# Altium PCB WunderBar_v102b _flip.PcbDoc (part 4 of 7) (continued)
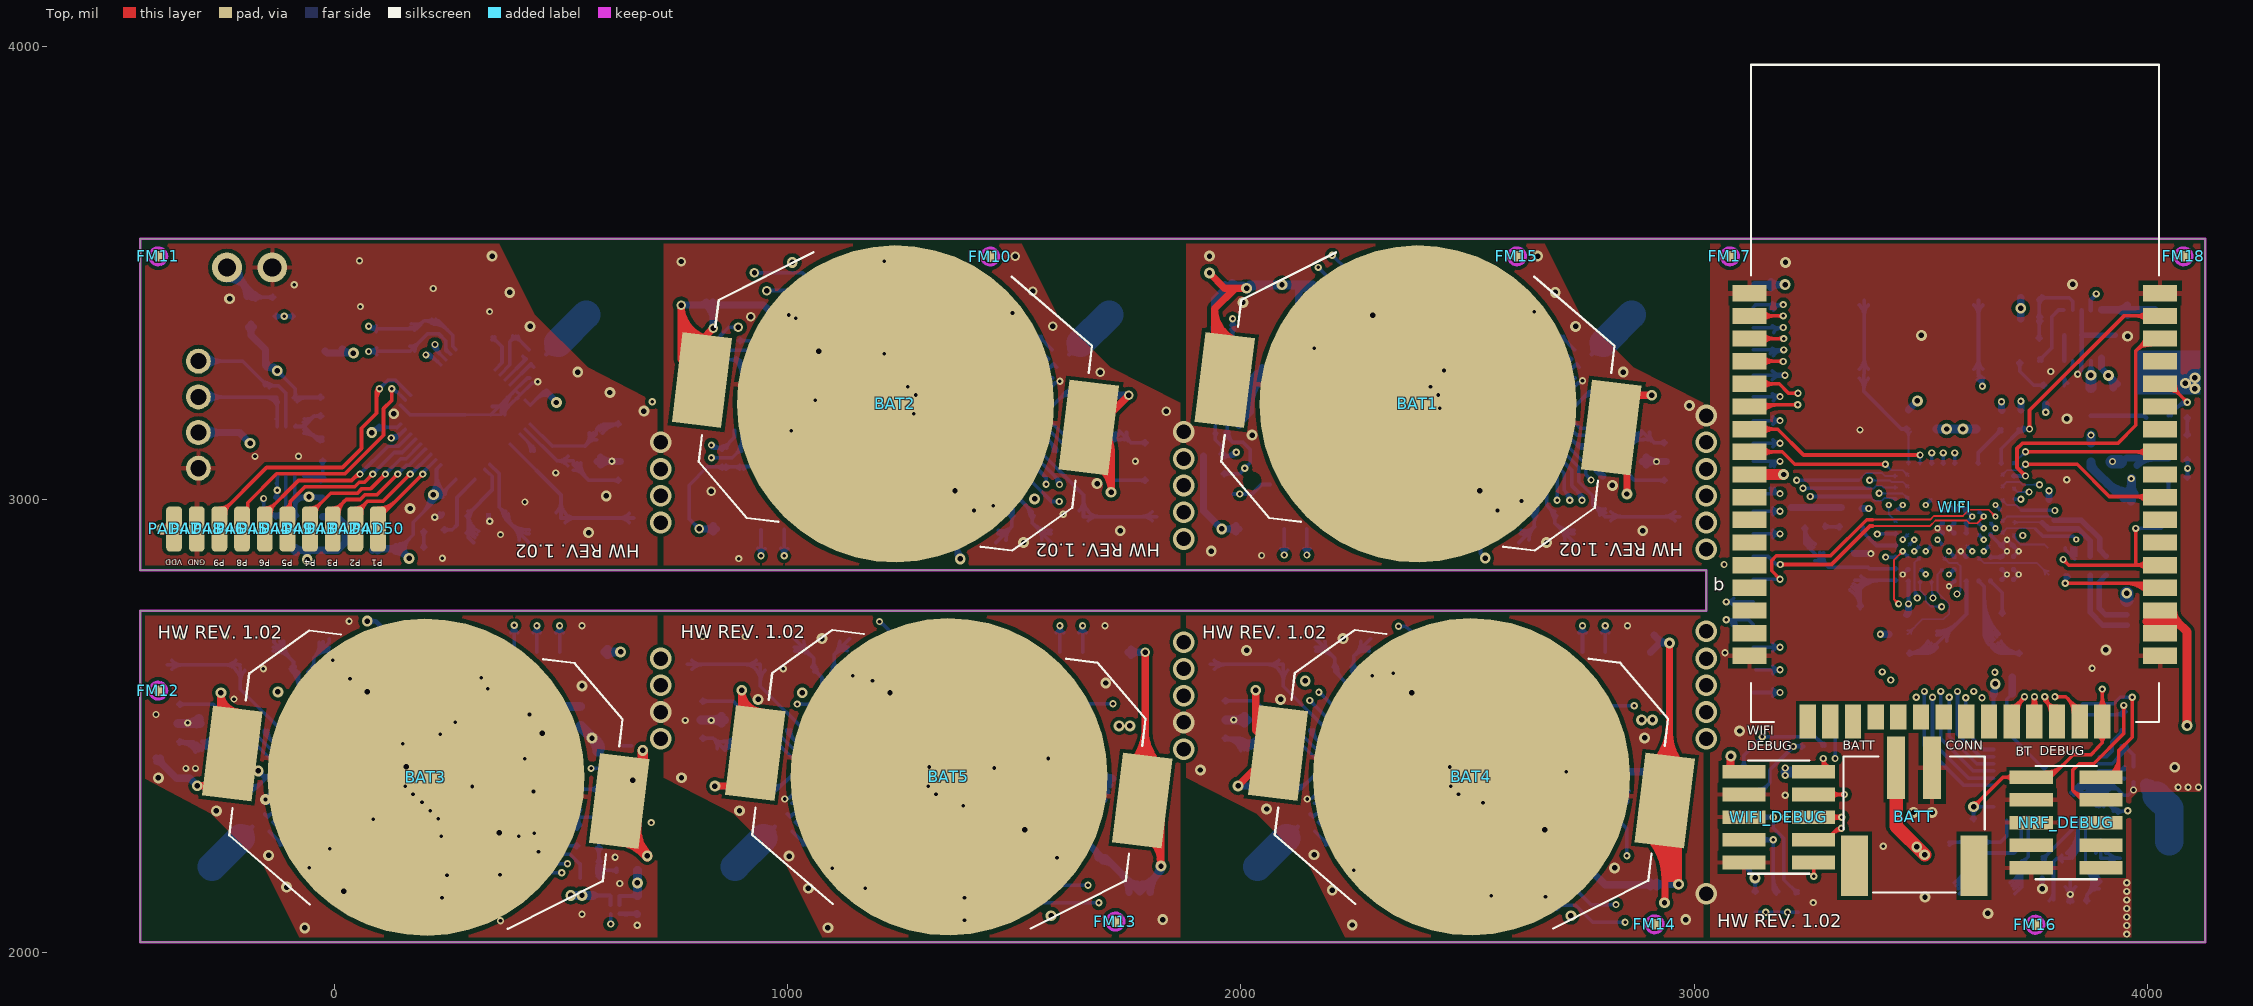
[diagram p0: Top view]
## Nets (pads, with @x,y where several pads share a name; then routed paths per layer and width w, separated by ;. In a path a pad name is that pad's centre, name@x,y a point inside that pad or via, vN(x,y) a via of type N, cw(c..) or ccw(c..) an arc to the next point about the centre after c; other vN are vias at no path point) (continued)
  Bottom w8: v1@126,3241 cw(c126,3219.8) 140.99,3234.79 ; v1(126,3245) 130.78,3245 BT3.14@156.29,3219.49
P0.08F: BT6.14 PAD58.1 | length 681.1
  Route2 w8: v5@156,2372 ccw(c156,2384.07) 164.54,2375.54 ; v5@156.5,2367.5 396.43,2607.43 v1(396.43,2723) ; v1@393.6,2720.17 cw(c386.77,2713.34) 396.43,2713.34 cw(c406.09,2713.34) v1@399.26,2720.17
  Bottom w8: BT6.14@128.75,2379.47 140.22,2368 v5(156,2368) ; BT6.14@135.83,2372.39 ccw(c146.43,2383) 146.43,2368 ; 153.17,2365.17 ccw(c146.34,2358.34) 146.34,2368 ccw(c146.34,2377.66) 153.17,2370.83 ; PAD58.1@388.32,2706.77 ccw(c376.14,2723) v1(396.43,2723) ; v1@392.97,2721 cw(c384.6,2716.17) 393.93,2713.67 cw(c403.26,2711.17) v1@398.43,2719.54 ; v1@393.6,2720.17 cw(c386.77,2713.34) 396.43,2713.34 cw(c406.09,2713.34) v1@399.26,2720.17 ; v1@394.43,2719.54 cw(c389.6,2711.17) 398.93,2713.67 cw(c408.26,2716.17) v1@399.89,2721 ; PAD58.1@396.43,2663.48 v1(396.43,2723) ; PAD58.1@404.54,2706.77 cw(c416.72,2723) v1(396.43,2723)
P0.09: BT1.15 PAD10.1 | length 744
  Route2 w8: v1@2095.52,2882 ccw(c2095.52,2892.71) 2103.09,2885.14 ; v1@2095.53,2877.57 2122,2904.04 2122,2952.81 v5(2418.09,3248.91) ; v1@2099.52,2878 cw(c2108.12,2878) 2102.04,2884.08 ; v5@2414.09,3248.91 cw(c2404.44,3248.91) 2411.27,3242.08 cw(c2418.09,3235.25) v5@2418.09,3244.91
  Bottom w8: PAD10.1@2088.12,2891.69 cw(c2079.16,2878) v1(2095.52,2878) ; v1@2092.27,2880.33 ccw(c2086.6,2884.38) 2093.33,2886.18 ccw(c2100.06,2887.98) v1@2097.17,2881.64 ; v1@2092.69,2880.83 ccw(c2085.86,2887.66) 2095.52,2887.66 ccw(c2105.18,2887.66) v1@2098.35,2880.83 ; v1@2093.86,2881.64 ccw(c2090.98,2887.98) 2097.71,2886.18 ccw(c2104.44,2884.38) v1@2098.77,2880.33 ; PAD10.1@2095.52,2935.48 v1(2095.52,2878) ; PAD10.1@2102.92,2891.69 ccw(c2111.88,2878) v1(2095.52,2878) ; v5(2418.09,3248.91) 2456.15,3248.91 BT1.15@2474.42,3230.63 ; 2420.92,3246.08 cw(c2427.75,3239.25) 2427.75,3248.91 cw(c2427.75,3258.56) 2420.92,3251.73
P0.09B: BT2.15 PAD16.1 | length 757.3
  Route2 w8: v1(941,2876) 968,2903 968,2951.81 v5(1265.09,3248.91) ; v1@941,2880 ccw(c941,2889.66) 947.83,2882.83 ccw(c954.66,2876) v1@945,2876 ; v5@1261.09,3248.91 cw(c1251.44,3248.91) 1258.27,3242.08 cw(c1265.09,3235.25) v5@1265.09,3244.91
  Bottom w8: PAD16.1@933.46,2892.98 cw(c918.04,2875.96) v1(941,2876) cw(c959.32,2875.96) PAD16.1@949.65,2891.51 ; v1@937.54,2878 ccw(c929.2,2882.81) 938.5,2885.3 ; v1@938.17,2878.83 ccw(c931.34,2885.66) 941,2885.66 ccw(c950.66,2885.66) v1@943.83,2878.83 ; 938.48,2885.35 ccw(c947.85,2887.86) v1@943,2879.46 ; v1@939.06,2879.5 ccw(c934.61,2887.51) 943.46,2885.13 ccw(c952.36,2882.75) v1@944.44,2878.04 ; v1(941,2876) PAD16.1@941,2933.96 ; v5(1265.09,3248.91) 1303.15,3248.91 BT2.15@1321.42,3230.63 ; 1267.92,3246.08 cw(c1274.75,3239.25) 1274.75,3248.91 cw(c1274.75,3258.56) 1267.92,3251.73
P0.09C: BT4.15 PAD26.1 | length 752.8
  Route2 w8: v5(2480,2350) 2778,2648 2778,2696.48 v1(2803.52,2722) ; v5@2480,2354 ccw(c2480,2363.66) 2486.83,2356.83 ccw(c2493.66,2350) v5@2484,2350 ; v1@2799.52,2722 cw(c2789.86,2722) 2796.69,2715.17 cw(c2803.52,2708.34) v1@2803.52,2718
  Bottom w8: BT4.15@2424.62,2368.33 2442.95,2350 v5(2480,2350) ; 2477.17,2347.17 ccw(c2470.34,2340.34) 2470.34,2350 ccw(c2470.34,2359.66) 2477.17,2352.83 ; PAD26.1@2795.75,2707.02 ccw(c2785.2,2722) v1(2803.52,2722) ; v1@2800.08,2719.96 cw(c2792.13,2715.23) 2801.06,2712.84 cw(c2810,2710.44) v1@2805.48,2718.51 ; v1@2800.69,2719.17 cw(c2793.86,2712.34) 2803.52,2712.34 cw(c2813.18,2712.34) v1@2806.35,2719.17 ; v1@2801.56,2718.51 cw(c2797.04,2710.44) 2805.97,2712.84 cw(c2814.9,2715.23) v1@2806.96,2719.96 ; PAD26.1@2803.52,2663.48 v1(2803.52,2722) ; PAD26.1@2811.29,2707.02 cw(c2821.84,2722) v1(2803.52,2722)
P0.09D: BT5.15 PAD36.1 | length 756.4
  Route2 w8: v5(1327,2350) 1623,2646 1623,2694.48 v1(1650.52,2722) ; v5@1327,2354 ccw(c1327,2363.66) 1333.83,2356.83 ccw(c1340.66,2350) v5@1331,2350 ; v1@1646.52,2722 cw(c1636.86,2722) 1643.69,2715.17 cw(c1650.52,2708.34) v1@1650.52,2718
  Bottom w8: BT5.15@1271.62,2368.33 1289.95,2350 v5(1327,2350) ; 1324.17,2347.17 ccw(c1317.34,2340.34) 1317.34,2350 ccw(c1317.34,2359.66) 1324.17,2352.83 ; PAD36.1@1642.41,2706.78 ccw(c1630.23,2723) v1@1650.52,2723 ; v1@1647.06,2720 cw(c1639.46,2715.61) PAD36.1@1647.93,2713.34 ; PAD36.1@1647.69,2712.42 cw(c1657.18,2709.88) v1@1652.45,2718.49 ; v1@1647.69,2719.17 cw(c1640.86,2712.34) 1650.52,2712.34 cw(c1660.18,2712.34) v1@1653.35,2719.17 ; v1@1648.59,2718.49 cw(c1643.86,2709.88) PAD36.1@1653.35,2712.42 ; PAD36.1@1650.52,2663.48 v1@1650.52,2723 ; PAD36.1@1653.11,2713.34 cw(c1661.58,2715.61) v1@1653.98,2720 ; PAD36.1@1658.63,2706.78 cw(c1670.81,2723) v1@1650.52,2723
P0.09E: BT3.15 PAD46.1 | length 744.2
  Top w8: PAD46.1@-254.13,2935.48 -254.13,2966.83 -150.06,3070.91 17.28,3070.91 59.52,3113.15 59.52,3157.48 92.52,3190.48 92.52,3238.52 v1(99,3245) ; PAD46.1@-254.13,2981.48 ccw(c-254.13,3016.86) -229.12,2991.84 ; PAD46.1@-240.63,2967.98 cw(c-210.83,2967.98) -231.9,2989.06 ; 92.52,3219.7 cw(c124.3,3219.7) v1@101.83,3242.17 ; 92.52,3239.01 cw(c104.99,3239.01) v1@96.17,3247.83
  Bottom w8: v1(99,3245) 117.04,3263 135.05,3263 BT3.15@167.42,3230.63 ; v1@99,3249 ccw(c99,3258.75) 105.9,3251.86 ; v1@103,3245 cw(c112.56,3245) 105.8,3251.76
P0.09F: BT6.15 PAD59.1 | length 727.4
  Route2 w8: v5@173,2354 ccw(c173,2368.49) 183.24,2358.24 ; v5@175,2350 423,2598 423,2698.55 v1(446.45,2722) ; v1@442.45,2722 cw(c432.79,2722) 439.62,2715.17 cw(c446.45,2708.34) v1@446.45,2718
  Bottom w8: BT6.15@117.62,2368.33 135.95,2350 v5(173,2350) ; 170.17,2347.17 ccw(c163.34,2340.34) 163.34,2350 ccw(c163.34,2359.66) 170.17,2352.83 ; PAD59.1@438.67,2707.02 ccw(c428.12,2722) v1(446.45,2722) ; v1@443.01,2719.96 cw(c435.06,2715.23) 443.99,2712.84 cw(c452.93,2710.44) v1@448.4,2718.51 ; v1@443.62,2719.17 cw(c436.79,2712.34) 446.45,2712.34 cw(c456.1,2712.34) v1@449.28,2719.17 ; v1@444.49,2718.51 cw(c439.97,2710.44) 448.9,2712.84 cw(c457.84,2715.23) v1@449.89,2719.96 ; PAD59.1@446.45,2663.48 v1(446.45,2722) ; PAD59.1@454.22,2707.02 cw(c464.77,2722) v1(446.45,2722)
P0.10F: BT6.16 PAD60.1 | length 796.6
  Route2 w8: v5(193,2332) 452,2591 452,2678.03 v1@496.24,2722.27 ; v5@193,2336 ccw(c193,2345.66) 199.83,2338.83 ccw(c206.66,2332) v5@197,2332 ; 488.79,2714.82 cw(c496.47,2707.14) v1@496.47,2718 ; 489.99,2716.02 ccw(c484.01,2722) v1@492.47,2722
  Bottom w8: BT6.16@106.48,2357.19 131.68,2332 v5(193,2332) ; 190.17,2329.17 ccw(c183.34,2322.34) 183.34,2332 ccw(c183.34,2341.66) 190.17,2334.83 ; PAD60.1@488.69,2707.02 ccw(c478.14,2722) v1(496.47,2722) ; v1@493.03,2719.96 cw(c485.08,2715.23) 494.01,2712.84 cw(c502.95,2710.44) v1@498.42,2718.51 ; v1@493.64,2719.17 cw(c486.81,2712.34) 496.47,2712.34 cw(c506.12,2712.34) v1@499.29,2719.17 ; v1@494.51,2718.51 cw(c489.99,2710.44) 498.92,2712.84 cw(c507.85,2715.23) v1@499.9,2719.96 ; PAD60.1@496.47,2663.48 v1(496.47,2722) ; PAD60.1@504.24,2707.02 cw(c514.79,2722) v1(496.47,2722)
PAD1: BT2.7 PAD11.1 | length 268.5
  Bottom w8: PAD11.1@1233.41,2977.94 ccw(c1214.51,2998.61) 1242.52,2998.61 ; PAD11.1@1242.52,2935.48 1242.52,2998.62 ; PAD11.1@1251.63,2977.94 cw(c1270.53,2998.61) 1242.52,2998.61 ; BT2.7@1354.83,3110.92 1242.52,2998.62
PAD2: BT4.7 PAD21.1 | length 268.5
  Bottom w8: BT4.7@2391.21,2488.04 2503.52,2600.34 ; PAD21.1@2494.41,2621.02 cw(c2475.51,2600.35) 2503.52,2600.35 ; PAD21.1@2503.52,2663.48 2503.52,2600.34 ; PAD21.1@2512.63,2621.02 ccw(c2531.53,2600.35) 2503.52,2600.35
PAD3: BT5.7 PAD31.1 | length 268.5
  Bottom w8: BT5.7@1238.21,2488.04 1350.52,2600.34 ; PAD31.1@1341.41,2621.02 cw(c1322.51,2600.35) 1350.52,2600.35 ; PAD31.1@1350.52,2663.48 1350.52,2600.34 ; PAD31.1@1359.63,2621.02 ccw(c1378.53,2600.35) 1350.52,2600.35
PAD4: BT3.7 PAD42.1 | length 395.7
  Top w8: PAD42.1@-4.13,2935.48 -4.13,2970.83 25.52,3000.48 56.85,3000.48 66.85,3010.48 93.16,3010.48 v1(139.15,3056.47) ; PAD42.1@-4.13,2981.48 ccw(c-4.13,3007.2) 14.05,2989.01 ; PAD42.1@1.37,2967.98 cw(c21.52,2967.98) PAD42.1@7.27,2982.23 ; PAD42.1@9.37,2967.98 cw(c48.83,2967.98) 20.92,2995.89 ; v1@135.15,3056.47 cw(c125.5,3056.47) 132.32,3049.64 cw(c139.15,3042.81) v1@139.15,3052.47
  Bottom w8: v1(139.15,3056.47) 158.68,3076 164.34,3076 199.26,3110.92 BT3.7@200.83,3110.92 ; v1@139.15,3060.47 ccw(c139.15,3070.13) 145.98,3063.3 ccw(c152.81,3056.47) v1@143.15,3056.47
PAD5: BT6.7 PAD54.1 | length 324.9
  Bottom w8: BT6.7@84.21,2488.04 195.36,2599.18 PAD54.1@195.36,2664.48 ; 195.36,2599.38 ccw(c162.77,2599.38) 185.81,2622.43 cw(c162.77,2599.38) 195.36,2599.38 ; 195.36,2599.38 cw(c227.95,2599.38) 204.9,2622.43 ccw(c227.95,2599.38) 195.36,2599.38
PAD6: BT1.7 PAD4.1 | length 250.9
  Bottom w8: PAD4.1@2386.81,2978.3 ccw(c2368.51,2999.97) 2396.88,2999.97 ; PAD4.1@2396.88,2952.62 2396.88,2999.97 ; 2396.88,2997.29 ccw(c2424.83,2997.29) PAD4.1@2405.07,2977.53 ; BT1.7@2507.83,3110.92 2396.88,2999.97
PROX_LED: LED6.C SENSE3.4 | length 494.4
  Bottom w16: SENSE3.4@1995.11,3177.48 ccw(c1994.63,3202.15) 2012.41,3185.05 ; SENSE3.4@1995.52,3163.48 1995.52,3167.48 2020.52,3193.48 2020.52,3260.48 LED6.C@2044.52,3283.48 ; 2020.52,3204.28 cw(c2109.11,3204.28) LED6.C@2046.47,3266.92 ; 2020.52,3242.9 cw(c2070.48,3242.9) LED6.C@2035.15,3278.23 ; LED6.C@2046.47,3275.23 cw(c2066.4,3255.3) LED6.C@2066.4,3283.48 ; LED6.C@2046.47,3291.75 ccw(c2066.43,3311.72) LED6.C@2066.43,3283.48 ; LED6.C@2062.07,3283.48 cw(c2062.07,3265.35) LED6.C@2080.12,3267.02 ; LED6.C@2064.19,3265.55 ccw(c2044.52,3263.73) LED6.C@2044.52,3283.48 ; LED6.C@2064.86,3297.33 cw(c2044.52,3305.34) LED6.C@2044.52,3283.48 ; LED6.C@2079.62,3283.48 cw(c2079.62,3266.97) LED6.C@2096.05,3268.49 ; LED6.C@2097.17,3283.48 cw(c2097.17,3268.6) LED6.C@2111.99,3269.97 ; LED6.C@2097.52,3283.48 LED6.C@2044.52,3283.48
REGOUT: C40.1 SENSE2.10 | length 62.8
  Bottom w8: C40.1@926.28,3304.57 cw(c916.03,3294.33) 930.52,3294.33 cw(c945.01,3294.33) C40.1@934.76,3304.57 ; SENSE2.10@930.52,3268.48 C40.1@930.52,3308.48
S3_RX_EXT: IC2.5 P1.3 R47.1 | length 447.4
  Bottom w8: P1.3@-300.58,3226.27 R47.1@-127.48,3226.27 ; P1.3@-289.58,3215.85 cw(c-264.42,3190.69) -264.42,3226.27 ; P1.3@-289.58,3237.85 ccw(c-261.61,3265.82) -261.61,3226.27 ; P1.3@-283.92,3210.19 cw(c-245.11,3171.38) -245.11,3226.27 ; P1.3@-283.92,3243.51 ccw(c-242.3,3285.13) -242.3,3226.27 ; -156.61,3226.27 cw(c-156.61,3192.02) -132.39,3216.24 cw(c-146.66,3201.97) -126.48,3201.97 ; R47.1@-137.29,3226.27 cw(c-137.29,3211.34) R47.1@-126.74,3221.89 ; IC2.5@-128.42,3177.89 ccw(c-133.11,3182.58) -126.48,3182.58 ; R47.1@-127.48,3220.48 -126.48,3219.48 IC2.5@-126.48,3161.48 ; -126.48,3210.03 cw(c-117.69,3210.03) R47.1@-123.91,3216.24
S3_RX_INT: BT3.21 IC2.4 R44.1 | length 802.2
  Route15 w8: v1(-126.48,3020.98) -49.94,3097.52 141.61,3097.52 201.52,3157.43 v1(201.52,3319.48) ; v1@-126.48,3024.98 ccw(c-126.48,3034.64) -119.65,3027.81 ccw(c-112.82,3020.98) v1@-122.48,3020.98 ; v1@198.69,3316.65 cw(c191.86,3309.82) 201.52,3309.82 cw(c211.18,3309.82) v1@204.35,3316.65
  Bottom w8: R44.1@-132.39,3004.72 ccw(c-146.66,3019) v1@-126.48,3019 ; v1@-129.94,3018.98 cw(c-139.83,3013.28) R44.1@-128.8,3010.32 ; v1@-129.31,3018.16 cw(c-136.14,3011.33) -126.48,3011.33 cw(c-116.82,3011.33) v1@-123.65,3018.16 ; v1@-129.31,3023.81 ccw(c-136.14,3030.64) -126.48,3030.64 ccw(c-116.82,3030.64) v1@-123.65,3023.81 ; IC2.4@-128.42,3035.95 cw(c-133.11,3031.26) -126.48,3031.26 ; -128.16,3012.72 cw(c-120.53,3010.68) v1@-124.48,3017.52 ; R44.1@-127.48,3000.48 -126.48,3001.48 -126.48,3051.48 IC2.4@-125.48,3050.48 ; -126.48,3010.94 ccw(c-117.69,3010.94) R44.1@-123.91,3004.72 ; v1@201.52,3315.48 cw(c201.52,3279.27) BT3.21@227.13,3304.87 ; v1(201.52,3319.48) 212.52,3319.48 BT3.21@234.52,3297.48 ; v1@201.52,3323.48 cw(c201.52,3306.58) 213.47,3318.53 ; v1@204.35,3316.65 cw(c211.18,3309.82) 211.18,3319.48 cw(c211.18,3329.14) v1@204.35,3322.31
S3_TX_EXT: IC2.6 P1.4 R46.1 | length 489.7
  Bottom w8: P1.4@-300.58,3305.59 -202.59,3305.59 -148.48,3251.48 -123.48,3251.48 -107.48,3234.48 IC2.6@-107.48,3161.48 ; P1.4@-289.58,3294.59 cw(c-263.02,3268.03) -263.02,3305.59 cw(c-263.02,3343.15) P1.4@-289.58,3316.59 ; P1.4@-283.92,3288.93 cw(c-243.7,3248.71) -243.7,3305.59 cw(c-243.7,3362.47) P1.4@-283.92,3322.25 ; -159.29,3262.29 ccw(c-148.48,3273.09) R46.1@-148.48,3257.81 ; -158.49,3261.49 cw(c-168.17,3251.81) R46.1@-154.48,3251.81 ; R46.1@-144.24,3247.57 cw(c-134.79,3238.12) -134.79,3251.48 ; R46.1@-144.24,3256.05 ccw(c-133.2,3267.09) -133.2,3251.48
S3_TX_INT: BT3.22 IC2.3 R45.1 | length 974.4
  Route15 w8: v1(-156.57,3002.55) -112.41,3002.55 -36.73,3078.23 152.24,3078.23 221.52,3147.5 v1(221.52,3342.48) ; v1@-153.75,2999.72 cw(c-146.92,2992.89) -146.92,3002.55 cw(c-146.92,3012.21) v1@-153.75,3005.38 ; v1@218.69,3339.65 cw(c211.86,3332.82) 221.52,3332.82 cw(c231.18,3332.82) v1@224.35,3339.65
  Bottom w8: v1@-159.4,2999.72 cw(c-166.23,2992.89) -156.57,2992.89 cw(c-146.92,2992.89) v1@-153.75,2999.72 ; v1(-156.57,3002.55) -156.57,2985.57 -129.98,2958.98 -107.48,2981.48 IC2.3@-107.48,3051.48 ; -145.79,2974.79 ccw(c-128.15,2992.42) -128.15,2967.48 ccw(c-128.15,2983.58) -116.76,2972.2 ; R45.1@-122.15,2961.48 cw(c-109.28,2961.48) R45.1@-118.38,2970.58 ; v1@217.52,3342.48 ccw(c232.01,3342.48) 221.76,3332.24 ; v1@218.69,3339.65 cw(c211.86,3332.82) 221.52,3332.82 cw(c231.18,3332.82) v1@224.35,3339.65 ; v1(221.52,3342.48) 221.52,3332.48 BT3.22@245.52,3308.48 ; v1@225.52,3342.48 ccw(c259.32,3342.48) 235.42,3318.58
S3_VEXT_REF: C88.1 IC2.7 IC2.8 R48.1 | length 310.2
  Bottom w8: IC2.7@-87.48,3161.48 IC2.8@-67.48,3161.48 ; IC2.7@-86.07,3163.89 ccw(c-80.24,3169.72) -80.24,3161.48 ; -74.72,3161.48 ccw(c-74.72,3169.72) IC2.8@-68.89,3163.89 ; IC2.8@-70.79,3162.88 ccw(c-69.2,3169.41) IC2.8@-64.34,3164.76 ; IC2.8@-68.9,3170.65 ccw(c-65.41,3184.98) -54.75,3174.79 ; IC2.8@-67.48,3146.48 cw(c-67.48,3110.27) -41.87,3135.87 ; IC2.8@-67.48,3154.48 cw(c-67.48,3137.58) -55.53,3149.53 ; IC2.8@-67.01,3178.42 ccw(c-61.62,3200.56) -45.16,3184.81 ; -54.94,3148.94 ccw(c-26.48,3177.39) C88.1@-26.48,3137.15 ; -41.76,3184.48 ccw(c-41.76,3200.09) R48.1@-30.72,3189.05 ; -41.28,3135.28 ccw(c-26.48,3150.08) C88.1@-26.48,3129.15 ; -40.17,3184.48 cw(c-40.17,3171.12) R48.1@-30.72,3180.57 ; C88.1@-31.67,3128.14 ccw(c-37.48,3124.76) -37.48,3131.48 ; C88.1@-31.37,3134.63 cw(c-37.48,3138.99) -37.48,3131.48 ; C88.1@-26.48,3131.48 -37.48,3131.48 ; R48.1@-26.48,3184.48 -45.48,3184.48 IC2.8@-67.48,3161.48 ; IC2.8@-67.48,3161.48 -37.48,3131.48
SENS1_LED: BT1.48 R5.1 | length 167.4
  Bottom w8: R5.1@2549.19,2943.48 2577.48,2943.48 2586.94,2952.94 2586.94,3013.44 BT1.48@2617.01,3043.5 ; R5.1@2553.43,2939.24 cw(c2563.67,2928.99) 2563.67,2943.48 cw(c2563.67,2957.97) R5.1@2553.43,2947.72
SENS1_LED1: LED3.A R5.2 | length 83.5
  Bottom w8: R5.2@2503.28,2939.24 cw(c2493.03,2928.99) 2507.52,2928.99 cw(c2522.01,2928.99) R5.2@2511.76,2939.24 ; LED3.A@2503.61,2909.72 ccw(c2494.16,2919.17) 2507.52,2919.17 ; LED3.A@2507.52,2905.48 R5.2@2507.52,2943.48 ; 2507.52,2920.76 ccw(c2523.13,2920.76) LED3.A@2512.09,2909.72
SENS1_XL1: BT1.46 C94.2 X1.1 | length 333.1
  Bottom w8: X1.1@2613.5,2905.48 2647.52,2940.48 2647.52,2968.48 2654.52,2975.48 2654.52,3051.48 2648.52,3057.48 2647.52,3057.48 BT1.46@2638.52,3066.48 ; X1.1@2616.87,2924.57 ccw(c2622.16,2945.86) X1.1@2637.9,2930.57 ; X1.1@2618.8,2932.33 ccw(c2626.04,2961.5) 2647.6,2940.56 ; X1.1@2635.49,2911.3 cw(c2675.46,2911.88) 2646.79,2939.73 ; C94.2@2644.28,2964.24 cw(c2636.45,2956.41) 2647.52,2956.41 ; C94.2@2644.28,2972.72 ccw(c2619.55,2997.45) 2654.52,2997.45 ; 2647.52,2951.58 cw(c2665.42,2951.58) C94.2@2652.76,2964.24 ; C94.2@2649.93,2967.07 ccw(c2638.86,2978.14) C94.2@2654.52,2978.14
SENS1_XL2: BT1.45 C93.2 X1.2 | length 362.7
  Bottom w8: BT1.45@2649.52,3077.48 2674.52,3053.48 2674.52,2987.48 C93.2@2692.52,2968.48 2692.52,2948.48 ; C93.2@2686.52,2968.64 ccw(c2672.04,2969.03) 2682.56,2979 ccw(c2693.07,2988.96) C93.2@2692.68,2974.48 ; C93.2@2688.28,2964.24 cw(c2678.03,2953.99) 2692.52,2953.99 cw(c2707.01,2953.99) C93.2@2696.76,2964.24 ; 2703.56,2937.44 cw(c2677.1,2910.98) X1.2@2714.52,2910.98 ; 2704.78,2936.22 ccw(c2732.32,2963.76) X1.2@2735.41,2924.94 ; X1.2@2734.77,2932.91 cw(c2730.51,2986.47) 2692.52,2948.48 ; X1.2@2735.52,2905.48 2692.52,2948.48
SENS2_LED: BT2.48 R18.1 | length 167.3
  Bottom w8: R18.1@1392.19,2943.48 1417.48,2943.48 1430,2956 1430,3009.5 BT2.48@1464.01,3043.5 ; R18.1@1396.43,2939.24 cw(c1406.67,2928.99) 1406.67,2943.48 cw(c1406.67,2957.97) R18.1@1396.43,2947.72
SENS2_LED1: LED7.A R18.2 | length 83.5
  Bottom w8: R18.2@1346.28,2939.24 cw(c1336.03,2928.99) 1350.52,2928.99 cw(c1365.01,2928.99) R18.2@1354.76,2939.24 ; LED7.A@1346.61,2909.72 ccw(c1337.16,2919.17) 1350.52,2919.17 ; LED7.A@1350.52,2905.48 R18.2@1350.52,2943.48 ; 1350.52,2920.76 ccw(c1366.13,2920.76) LED7.A@1355.09,2909.72
SENS2_XL1: BT2.46 C96.2 X2.1 | length 329.7
  Bottom w8: X2.1@1459.5,2905.48 1494.52,2940.48 ; X2.1@1462.93,2924.55 ccw(c1468.49,2946.58) X2.1@1484.56,2930.52 ; X2.1@1464.88,2932.31 ccw(c1472.51,2962.49) 1494.52,2940.48 ; X2.1@1481.5,2910.98 cw(c1521.27,2910.98) 1493.15,2939.11 ; BT2.46@1485.52,3066.48 1497.52,3054.48 1497.52,2971.48 C96.2@1494.52,2968.48 1494.52,2940.48 ; C96.2@1490.28,2964.24 cw(c1480.03,2953.99) 1494.52,2953.99 cw(c1509.01,2953.99) C96.2@1498.76,2964.24 ; C96.2@1490.28,2972.72 ccw(c1472.79,2990.21) 1497.52,2990.21 ; 1497.52,3048.63 ccw(c1483.28,3048.63) 1493.35,3058.7 cw(c1491.21,3052.77) 1497.52,3052.77
SENS2_XL2: BT2.45 C95.2 X2.2 | length 358.9
  Bottom w8: BT2.45@1496.52,3077.48 1512.52,3061.48 1512.52,3000.48 1539.52,2973.48 C95.2@1539.52,2968.48 1539.52,2948.48 X2.2@1581.52,2905.48 ; 1525.74,2987.26 cw(c1506.96,2968.48) C95.2@1533.52,2968.48 ; C95.2@1535.28,2964.24 cw(c1525.03,2953.99) 1539.52,2953.99 cw(c1554.01,2953.99) C95.2@1543.76,2964.24 ; 1539.45,2948.55 ccw(c1576.93,2985.17) X2.2@1580.87,2932.92 ; 1549.84,2937.92 cw(c1522.97,2911.68) X2.2@1560.52,2911.24 ; 1551.44,2936.28 ccw(c1578.61,2962.82) X2.2@1581.47,2924.94
SENS3_BTN: BT3.41 BTN3.P3 BTN3.P4 | length 529.7
  Bottom w8: BT3.41@387.52,3122.48 499.52,3010.48 499.52,2959.48 BTN3.P3@660.52,2959.48 ; BTN3.P4@488.91,2971.38 ccw(c463.3,2996.99) 499.52,2996.99 ; 499.52,2993.57 ccw(c530.9,2993.57) BTN3.P4@508.71,2971.38 ; BTN3.P4@508.71,2949.58 cw(c532.61,2925.68) 532.61,2959.48 cw(c532.61,2993.28) BTN3.P4@508.71,2969.38 ; BTN3.P3@650.62,2949.58 ccw(c626.72,2925.68) 626.72,2959.48 ccw(c626.72,2993.28) BTN3.P3@650.62,2969.38
SENS3_LED: BT3.48 R28.1 | length 175.8
  Bottom w8: R28.1@238.19,2933.48 259.48,2933.48 270,2944 270,3004.96 BT3.48@309.52,3044.48 ; R28.1@242.43,2929.24 cw(c252.67,2918.99) 252.67,2933.48 cw(c252.67,2947.97) R28.1@242.43,2937.72
SENS3_LED1: LED11.A R28.2 | length 88.5
  Bottom w8: R28.2@192.28,2929.24 cw(c182.03,2918.99) 196.52,2918.99 cw(c211.01,2918.99) R28.2@200.76,2929.24 ; LED11.A@192.61,2894.72 ccw(c183.16,2904.17) 196.52,2904.17 ; LED11.A@196.52,2890.48 R28.2@196.52,2933.48 ; 196.52,2905.76 ccw(c212.13,2905.76) LED11.A@201.09,2894.72
SENS3_XL1: BT3.46 C91.2 X3.1 | length 365.4
  Bottom w8: C91.2@290.28,2964.24 cw(c277.62,2951.58) 295.52,2951.58 ; X3.1@290.94,2926.54 ccw(c279.88,2937.59) 295.52,2937.59 ; C91.2@294.46,2974.48 ccw(c294.3,2991.4) 306.38,2979.55 ; 295.52,2940.58 ccw(c323.81,2940.58) X3.1@309.53,2916.16 ; 295.52,2954.53 ccw(c331.97,2954.53) X3.1@313.57,2923.06 ; 295.52,2956.41 cw(c306.59,2956.41) C91.2@298.76,2964.24 ; C91.2@300.52,2968.54 cw(c312.57,2968.65) C91.2@303.97,2977.09 ; X3.1@306.5,2905.48 295.52,2916.48 C91.2@295.52,2968.48 ; X3.1@317.61,2929.97 cw(c340.13,2968.48) C91.2@295.52,2968.48 ; BT3.46@331.52,3066.48 347.52,3051.48 347.52,3021.48 C91.2@295.52,2968.48
SENS3_XL2: BT3.45 C90.2 X3.2 | length 422.5
  Bottom w8: BT3.45@342.52,3077.48 363.52,3057.48 363.52,2983.48 C90.2@377.52,2968.48 377.52,2956.48 ; C90.2@371.52,2968.69 ccw(c357.05,2969.19) 367.64,2979.07 ccw(c378.23,2988.95) C90.2@377.73,2974.48 ; C90.2@373.92,2963.68 cw(c368.52,2956.48) 377.52,2956.48 ; C90.2@375.52,2968.48 ccw(c399.66,2968.48) 382.59,2951.41 ; 380.87,2953.13 ccw(c429.52,3001.79) X3.2@429.52,2932.98 ; C90.2@381.12,2963.68 ccw(c386.52,2956.48) 377.52,2956.48 ; C90.2@383.52,2968.48 ccw(c426.98,2968.48) 396.25,2937.75 ; 394.52,2939.48 ccw(c429.52,2974.47) X3.2@429.52,2924.98 ; 396.56,2937.44 cw(c370.1,2910.98) X3.2@407.52,2910.98 ; X3.2@428.52,2905.48 377.52,2956.48
SENS4_BTN: BT4.41 BTN4.P3 BTN4.P4 | length 526.7
  Bottom w8: BTN4.P3@1932.52,2636.48 2093.52,2636.48 2093.52,2588.48 BT4.41@2205.52,2476.48 ; BTN4.P3@1941.42,2625.58 cw(c1967.73,2599.27) 1967.73,2636.48 ; BTN4.P3@1941.42,2645.38 ccw(c1962.9,2666.87) 1962.9,2636.48 ; 2057.02,2636.48 cw(c2057.02,2599.27) BTN4.P4@2083.33,2625.58 ; 2061.84,2636.48 ccw(c2061.84,2666.87) BTN4.P4@2083.33,2645.38 ; BTN4.P4@2083.33,2623.58 cw(c2058.73,2598.98) 2093.52,2598.98 ; 2093.52,2600.38 cw(c2126.32,2600.38) BTN4.P4@2103.13,2623.58
SENS4_LED: BT4.48 R22.1 | length 162.3
  Bottom w8: BT4.48@2282.03,2555.46 2310,2583.42 2310,2628 2335.49,2653.49 R22.1@2354.84,2653.49 ; R22.1@2350.6,2649.25 ccw(c2340.36,2639) 2340.36,2653.49 ccw(c2340.36,2667.97) R22.1@2350.6,2657.73
SENS4_LED1: LED8.A R22.2 | length 92.5
  Bottom w8: LED8.A@2391.95,2689.24 cw(c2383.32,2680.61) 2395.52,2680.61 ; R22.2@2392.27,2657.73 ccw(c2384.42,2665.58) 2395.52,2665.58 ; R22.2@2395.52,2646.48 LED8.A@2395.52,2693.48 ; 2395.52,2670.37 ccw(c2413.39,2670.37) R22.2@2400.75,2657.73 ; 2395.52,2677.38 cw(c2412.29,2677.38) LED8.A@2400.43,2689.24
SENS4_XL2: BT4.45 C97.2 X4.2 | length 360.8
  Bottom w8: X4.2@2164.52,2693.48 2206.52,2650.48 2206.52,2626.48 2206.52,2621.48 2229.52,2598.48 2229.52,2541.48 BT4.45@2249.52,2521.48 ; X4.2@2164.57,2674.02 cw(c2167.43,2636.14) 2194.6,2662.68 ; X4.2@2165.17,2666.04 cw(c2169.11,2613.79) 2206.59,2650.41 ; X4.2@2185.52,2687.72 ccw(c2223.06,2687.28) 2196.2,2661.04 ; C97.2@2203.28,2630.72 ccw(c2195.45,2638.55) 2206.52,2638.55 ; 2206.52,2643.38 ccw(c2224.42,2643.38) C97.2@2211.76,2630.72 ; C97.2@2213.52,2626.48 ccw(c2242.49,2626.48) 2222,2605.99
SENS5_BTN: BT5.41 BTN5.P3 BTN5.P4 | length 526.7
  Bottom w8: BTN5.P3@778.52,2636.48 939.52,2636.48 939.52,2588.48 BT5.41@1051.52,2476.48 ; BTN5.P3@788.42,2625.58 cw(c814.73,2599.27) 814.73,2636.48 ; BTN5.P3@788.42,2645.38 ccw(c809.9,2666.87) 809.9,2636.48 ; 904.02,2636.48 cw(c904.02,2599.27) BTN5.P4@930.33,2625.58 ; 908.84,2636.48 ccw(c908.84,2666.87) BTN5.P4@930.33,2645.38 ; BTN5.P4@930.33,2623.58 cw(c908.14,2601.39) 939.52,2601.39 ; 939.52,2597.97 cw(c975.74,2597.97) BTN5.P4@950.13,2623.58
SENS5_LED: BT5.48 R25.1 | length 162.6
  Bottom w8: BT5.48@1129.03,2555.46 1167,2593.42 1167,2634 1186.49,2653.49 R25.1@1204.51,2653.49 ; R25.1@1200.27,2649.25 ccw(c1190.03,2639) 1190.03,2653.49 ccw(c1190.03,2667.97) R25.1@1200.27,2657.73
SENS5_LED1: LED9.A R25.2 | length 92.5
  Bottom w8: R25.2@1241.94,2657.73 ccw(c1230.88,2668.79) 1246.52,2668.79 ; LED9.A@1241.95,2689.24 cw(c1230.91,2678.2) 1246.52,2678.2 ; R25.2@1246.52,2646.48 LED9.A@1246.52,2693.48 ; 1246.52,2667.16 ccw(c1259.85,2667.16) R25.2@1250.42,2657.73 ; 1246.52,2679.79 cw(c1259.88,2679.79) LED9.A@1250.43,2689.24
SENS5_XL1: BT5.46 C100.2 X5.1 | length 354
  Bottom w8: 1095.52,2550.33 ccw(c1109.76,2550.33) 1099.69,2540.26 cw(c1099.74,2544.48) 1095.52,2544.48 ; 1095.52,2595.1 cw(c1133.9,2595.1) C100.2@1106.76,2622.24 ; 1095.52,2614.41 cw(c1114.59,2614.41) C100.2@1101.11,2627.89 ; C100.2@1098.28,2630.72 ccw(c1088.03,2640.97) 1102.52,2640.97 ccw(c1117.01,2640.97) C100.2@1106.76,2630.72 ; 1102.44,2658.4 cw(c1124,2637.46) X5.1@1131.24,2666.63 ; 1103.25,2659.23 ccw(c1074.58,2687.08) X5.1@1114.55,2687.66 ; BT5.46@1107.52,2532.48 1095.52,2544.48 ; X5.1@1112.14,2668.39 cw(c1127.88,2653.1) X5.1@1133.17,2674.39 ; X5.1@1136.54,2693.48 1102.52,2658.48 C100.2@1102.52,2626.48 1095.52,2619.48 1095.52,2544.48
SENS5_XL2: BT5.45 C99.2 X5.2 | length 361
  Bottom w8: X5.2@1014.52,2693.48 1057.52,2650.48 ; X5.2@1014.63,2674.02 cw(c1017.72,2635.2) 1045.26,2662.74 ; X5.2@1015.26,2666.05 cw(c1019.53,2612.49) 1057.52,2650.48 ; X5.2@1035.52,2687.98 ccw(c1072.94,2687.98) 1046.48,2661.52 ; C99.2@1053.28,2630.72 ccw(c1043.03,2640.97) 1057.52,2640.97 ccw(c1072.01,2640.97) C99.2@1061.76,2630.72 ; C99.2@1057.36,2620.48 cw(c1056.97,2606) 1067.48,2615.96 cw(c1078,2625.93) C99.2@1063.52,2626.32 ; BT5.45@1096.52,2521.48 1075.52,2541.48 1075.52,2607.48 C99.2@1057.52,2626.48 1057.52,2650.48
SENS6_BTN: BT6.41 BTN6.P3 BTN6.P4 | length 526.7
  Bottom w8: BTN6.P3@-369.5,2635.5 BTN6.P4@-208.5,2635.5 ; BTN6.P3@-359.6,2625.6 cw(c-335.7,2601.7) -335.7,2635.5 cw(c-335.7,2669.3) BTN6.P3@-359.6,2645.4 ; BTN6.P4@-217.69,2623.6 cw(c-241.33,2599.96) -207.9,2599.96 ; BTN6.P4@-217.69,2625.6 ccw(c-241.59,2601.7) -241.59,2635.5 ccw(c-241.59,2669.3) BTN6.P4@-217.69,2645.4 ; BTN6.P4@-215.19,2637.25 -207.9,2629.95 -207.9,2581.95 BT6.41@-103.19,2477.25 ; -207.9,2599.44 cw(c-173.73,2599.44) BTN6.P4@-197.89,2623.6
SENS6_LED: BT6.48 R29.1 | length 152.6
  Bottom w8: BT6.48@-24.97,2555.46 15.86,2596.28 15.86,2621.01 R29.1@49.33,2654.49 ; R29.1@43.33,2654.49 cw(c28.85,2654.49) 39.09,2644.24 cw(c49.33,2634) R29.1@49.33,2648.49
SENS6_LED1: LED12.A R29.2 | length 85.5
  Bottom w8: R29.2@86.76,2658.73 ccw(c76.54,2668.95) 90.99,2668.95 ; LED12.A@86.76,2690.24 cw(c76.54,2680.02) 90.99,2680.02 cw(c105.51,2679.98) LED12.A@95.24,2690.24 ; R29.2@91,2654.49 LED12.A@91,2694.49 ; 90.99,2668.99 ccw(c105.51,2668.99) R29.2@95.24,2658.73
SENS6_XL1: BT6.46 C92.2 X6.1 | length 431.7
  Bottom w8: -59.25,2552.18 ccw(c-42.39,2552.18) BT6.46@-54.31,2540.26 ; -59.25,2579.34 cw(c1.43,2579.34) C92.2@-41.48,2622.25 ; -59.25,2598.66 cw(c-17.89,2598.66) C92.2@-47.13,2627.9 ; C92.2@-52.25,2627.2 -59.25,2620.2 ; C92.2@-49.96,2630.73 ccw(c-60.13,2640.9) -45.75,2640.9 ; C92.2@-48.88,2621.39 ccw(c-53.31,2614.26) -59.25,2620.2 ; BT6.46@-47.24,2533.19 -59.25,2545.2 -59.25,2620.2 ; C92.2@-45.72,2626.49 -45.75,2651.2 ; -45.75,2641.05 ccw(c-31.16,2641.05) C92.2@-41.48,2630.73 ; -44.58,2652.36 cw(c-11.71,2619.49) X6.1@-11.71,2665.98 ; X6.1@-33.91,2663.03 ccw(c-54.31,2683.43) X6.1@-25.63,2686.49 ; X6.1@-33.58,2685.64 cw(c-75.69,2681.14) -45.75,2651.2 ; X6.1@-30.93,2666.02 cw(c-11.71,2646.8) X6.1@-11.71,2673.98 ; X6.1@-11.71,2693.48 -11.75,2685.2 -45.75,2651.2
SENS6_XL2: BT6.45 C70.2 X6.2 | length 449.9
  Bottom w8: X6.2@-134.73,2665.98 cw(c-134.73,2616.66) -99.85,2651.53 ; X6.2@-134.73,2673.98 cw(c-134.73,2643.97) X6.2@-113.51,2665.19 ; X6.2@-133.75,2693.5 -133.75,2685.43 -90.75,2642.43 C70.2@-90.74,2626.49 ; X6.2@-120.73,2687.98 ccw(c-83.15,2687.98) -109.72,2661.4 ; X6.2@-112.73,2687.98 ccw(c-55.83,2687.98) -96.07,2647.75 ; C70.2@-97.38,2627.06 -88.04,2627.06 -79.38,2618.4 ; C70.2@-94.98,2622.25 cw(c-132.65,2584.58) -79.38,2584.58 ; C70.2@-94.98,2630.73 ccw(c-105.2,2640.95) -90.75,2640.95 ; -90.75,2641 ccw(c-76.23,2641) C70.2@-86.5,2630.73 ; C70.2@-89.33,2627.9 cw(c-113.34,2603.89) -79.38,2603.89 ; C70.2@-88.96,2620.76 cw(c-86.12,2611.66) -79.38,2618.4 ; BT6.45@-58.37,2522.05 -79.38,2542.06 -79.38,2618.4